# Altium PCB MAIN_BORAD.PcbDoc (part 1 of 3) (continued)
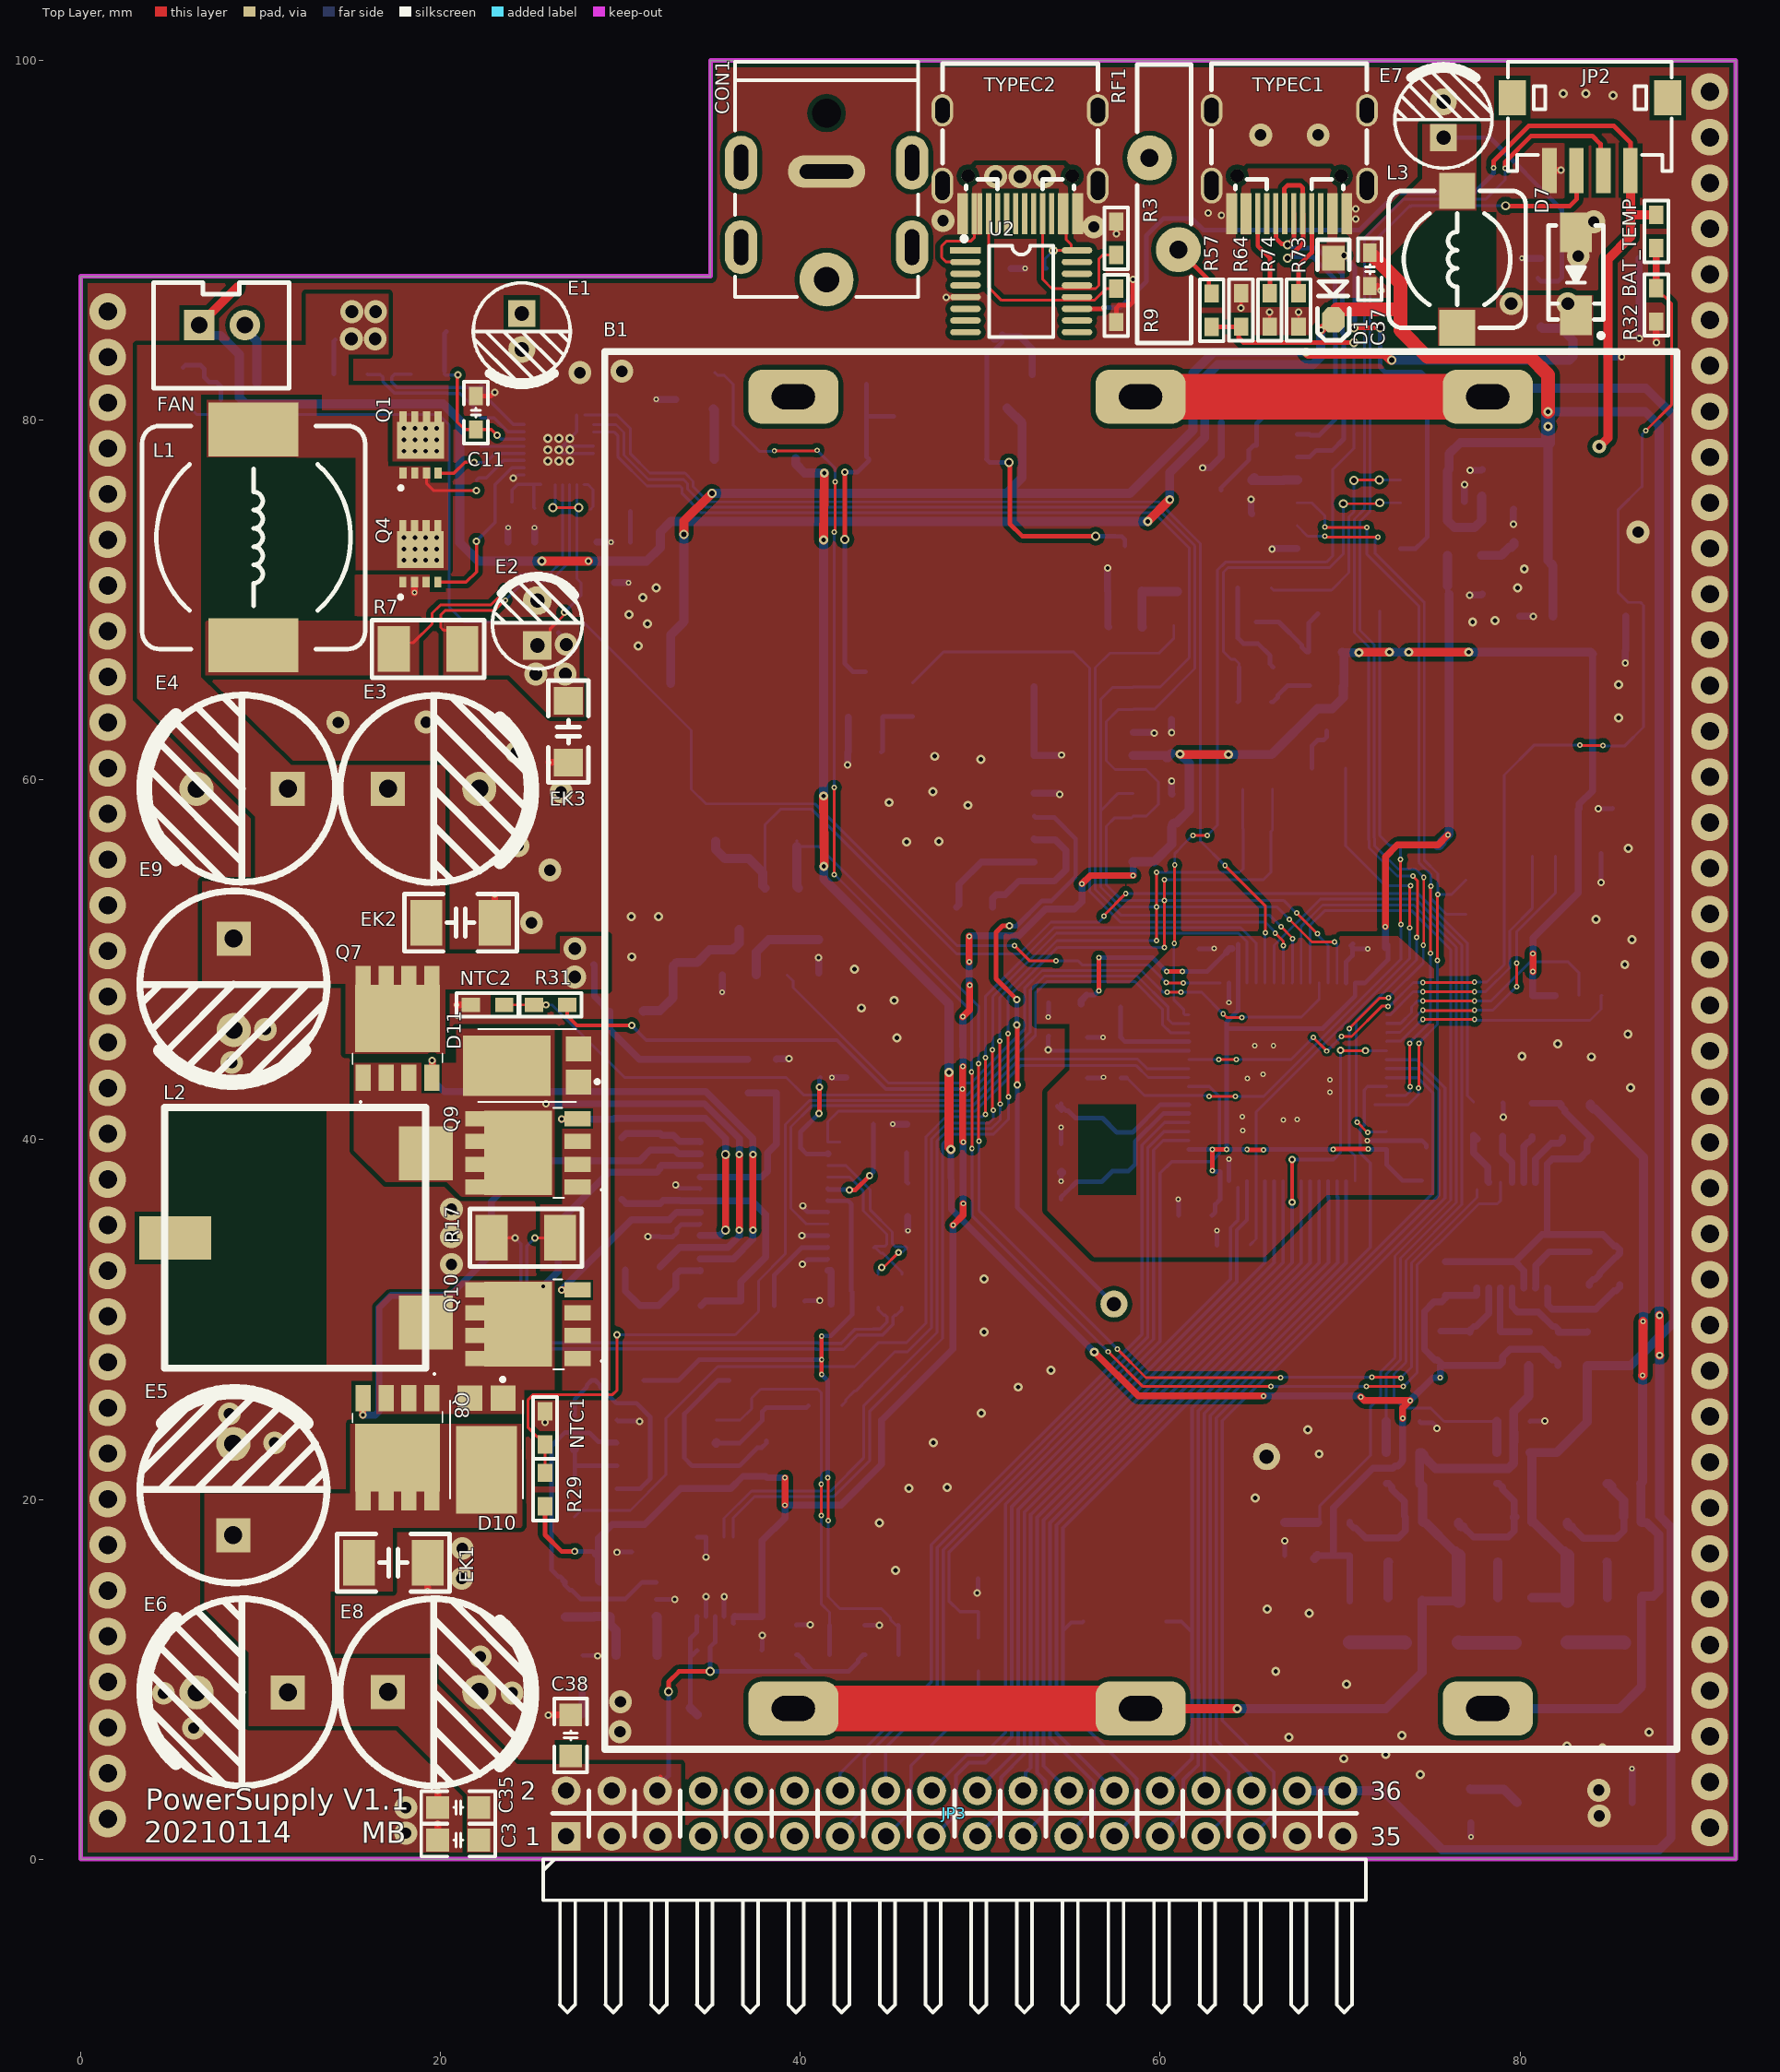
[diagram p0: Top Layer view]
## Components (designator, comment, footprint, x,y, rotation, side; value= is the part's Value field where it differs from the comment) (continued)
R20 "102" "R 0603_M" 44.323,31.598 r270 bottom
R21 "2.2R" "R 0603_M" 37.084,43.536 r270 bottom
R22 "102" "R 0603_M" 45.644,31.598 r270 bottom
R23 "5.6K" "R 0603_M" 44.983,39.294 r0 bottom
R24 "100K" "R 0603_M" 37.617,31.039 r180 bottom
R25 "280K N/C" "R 0603_M" 44.488,11.354 r180 bottom
R26 "0R" "R 0603_M" 53.797,46.685 r90 bottom locked
R27 "20K N/C" "R 0603_M" 44.501,13.007 r0 bottom locked
R28 "1K" "R 0603_M" 32.956,11.328 r180 bottom locked
R29 "10K" "R 0603_M" 25.806,20.549 r270 top
R30 "0.01R" "R 2512_M" 31.064,8.026 r0 bottom locked
R31 "10K" "R 0603_M" 26.111,47.498 r0 top
R32 "10K" "R 0603_M" 87.579,86.411 r270 top locked
R33 "1K" "R 0603_M" 28.829,11.328 r0 bottom locked
R34 "30K" "R 0603_M" 26.924,14.402 r90 bottom locked
R35 "62R" "R 0805_M" 70.536,13.208 r270 bottom locked
R36 "100R" "R 0603_M" 70.536,17.805 r90 bottom locked
R37 "1K" "R 0603_M" 27.432,19.964 r90 bottom
R38 "5.1K" "R 0603_M" 77.419,41.173 r270 bottom locked
R39 "1M" "R 0603_M" 38.964,54 r0 bottom locked
R40 "1K" "R 0603_M" 5.69,82.118 r270 bottom locked
R41 "5.1K" "R 0603_M" 35.23,81.737 r270 bottom locked
R42 "1K" "R 0603_M" 77.221,28.372 r90 bottom locked
R43 "1K" "R 0603_M" 80.482,28.372 r90 bottom locked
R44 "1K" "R 0603_M" 83.744,28.372 r90 bottom locked
R45 "62R" "R 0805_M" 76.581,13.208 r270 bottom locked
R46 "27K" "R 0603_M" 40.691,11.364 r180 bottom locked
R47 "1K" "R 0603_M" 79.045,41.123 r270 bottom locked
R48 "1K" "R 0603_M" 83.845,32.842 r90 bottom locked
R49 "100R" "R 0603_M" 76.581,17.805 r90 bottom locked
R50 "1K" "R 0603_M" 41.377,25.222 r180 bottom
R51 "1K" "R 0603_M" 85.547,32.855 r270 bottom locked
R52 "3K" "R 0603_M" 40.691,13.007 r0 bottom locked
R53 "10" "R 0603_M" 83.922,41.046 r90 bottom locked
R54 "0.01R" "R 2512_M" 83.033,3.15 r0 bottom
R55 "62R" "R 0805_M" 82.626,13.208 r270 bottom locked
R56 "20K" "R 0603_M" 49.886,11.379 r90 bottom locked
R57 "20K" "R 0603_M" 62.865,86.122 r270 top locked
R58 "10K" "R 0603_M" 58.064,68.504 r0 bottom locked
R59 "30K" "R 0603_M" 68.732,17.805 r90 bottom locked
R60 "30K" "R 0603_M" 73.495,22.606 r180 bottom locked
R61 "30K" "R 0603_M" 79.635,22.606 r180 bottom locked
R62 "100R" "R 0603_M" 82.626,17.805 r90 bottom locked
R63 "1K" "R 0603_M" 49.886,14.681 r90 bottom locked
R64 "1K" "R 0603_M" 64.491,86.131 r90 top locked
R65 "10K" "R 0603_M" 29.616,74.93 r180 bottom
R66 "10K" "R 0603_M" 66.929,17.805 r270 bottom locked
R67 "10K" "R 0603_M" 73.495,24.333 r0 bottom locked
R68 "10K" "R 0603_M" 79.635,24.333 r0 bottom locked
R69 "10K" "R 0603_M" 46.101,80.289 r0 bottom locked
R70 "1K" "R 0603_M" 60.757,69.52 r90 bottom locked
R71 "1K" "R 0603_M" 46.228,64.465 r270 bottom locked
R72 "10K" "R 0603_M" 43.561,61.544 r0 bottom locked
R73 "5.1K" "R 0603_M" 67.691,86.131 r270 top locked
R74 "5.1K" "R 0603_M" 66.091,86.131 r90 top locked
RF1 "FR60-160B" FR60-160B 60.211,92.184 r90 top locked
SCL "TEST" "TEST 1" 66.243,57.226 r180 bottom locked
SDA "TEST" "TEST 1" 64.623,57.252 r180 bottom locked
TYPEC1 "TYPEC 12PIN" TYPEC_16P 67.174,95.148 r0 top locked
TYPEC2 "TYPEC 12PIN" TYPEC_16P 52.212,95.148 r0 top locked
U1 "STM32F103RE" "LQFP64 10X10_L" 67.081,43.205 r90 bottom locked
U1R "TEST" "TEST 1" 76.987,54.432 r180 bottom locked
U1T "TEST" "TEST 1" 76.987,52.527 r180 bottom locked
U2 "IP2721" TSSOP16_M 52.273,87.173 r0 top locked
U3 "CH340C" SOP16_M 70.483,77.318 r0 bottom locked
U3R "TEST" "TEST 1" 55.728,13.208 r90 bottom locked
U3T "TEST" "TEST 1" 60.325,13.208 r90 bottom locked
U4 "SC8813" QFN40P400X400X80_HS-33N 26.568,78.359 r270 bottom
U5 "SGM8551/TP1541A" SOT23-5M 30.48,14.453 r270 bottom locked
U6 "RT9193" SOT23-5M 76.911,73.99 r0 bottom locked
V1 "AMS1117-3V3" SOT223_M 84.074,74.926 r90 bottom locked
X1 "32.768K" OSC-3x10-WS 49.682,52.934 r180 bottom
X2 "8MHz" "OSC 5032-2P" 57.048,39.456 r90 bottom
X3 "12M" "OSC 3215-2P" 65.354,80.264 r90 bottom locked

## Footprints (in the part's own frame and the unit in brackets; to place one, negate y for a bottom-side part, rotate by r counter-clockwise, add the part's x,y. Pads: shape width x height; smd on the part's side, far side on the other; paste and mask are expansions set on the pad)
18650 [mm]
  rrect50% 3x5 hole 2.4 slot 1.38 at 0 deg paste+0: 1(0,-38.6) 2(72.93,-38.6) 3(0,-19.3) 4(72.93,-19.3) 5(0,0) 6(72.93,0)
  silkscreen extent -2.51,-49.08 75.19,10.52, body extent -2.54,-49.17 75.19,10.52, height 21.59
bat [mm]
  round 1.5 hole 0.8 paste+0: 1(0,0) 2(12,0)
  silkscreen extent -0.25,-6.25 12.25,6.25, body extent -0.17,-6.27 12.38,6.28, height 2.05
"C 0603_M" [mil] "无极性贴片电容"
  rect 40x30 smd: 1(-36.5,0) 2(36.5,0)
  silkscreen extent -68,-26 68,26, body extent -31,-16 31,16, height 32
"C 0805_M" [mil] "无极性贴片电容"
  rect 50x50 smd: 1(-45,0) 2(45,0)
  silkscreen extent -81,-36 81,36, body extent -39,-24 39,24, height 20
"C 1206_M" [mil] "无极性贴片电容"
  rect 60x62.99 smd: 1(-67.5,0) 2(67.5,0)
  silkscreen extent -112,-44 112,44, body extent -63,-32 63,32, height 48
"C 1210_M" [mil] "无极性贴片电容"
  rect 70x100 smd: 1(-75,0) 2(75,0)
  silkscreen extent -123,-63 123,63, body extent -63,-51 63,51, height 60
"CAP 2.0*5*11 - GD" [mm] "脚距2mm直径5mm高度11mm"
  rect 1.5x1.5 hole 0.8: 1(-1,0)
  round 1.5 hole 0.8: 2(1,0)
  silkscreen extent -2.7,-2.7 2.96,2.7, body extent -2.5,-2.5 2.51,2.5, height 11.04
"CAP 2.5*5*11 - GD" [mm] "脚距2.5mm直径5mm高度11mm"
  rect 1.6x1.6 hole 0.8: 1(-1.25,0)
  round 1.6 hole 0.8: 2(1.25,0)
  silkscreen extent -2.55,-2.5 2.6,2.5, body extent -2.5,-2.54 2.51,2.46, height 11.04
"CAP 5.0*10*20 - GD" [mm] "脚距5mm直径10mm高度20mm"
  rect 1.9x1.9 hole 1: 1(-2.54,0)
  round 1.9 hole 1: 2(2.54,0)
  silkscreen extent -5.19,-5.21 5.5,5.19, body extent -5,-5 5.01,5, height 20.04
CDRH74 [mm] "7.3*7.3*4.5mm（长宽高）"
  rect 2x2 smd: 1(-3.81,0) 2(3.81,0)
  silkscreen extent -3.81,-3.81 3.81,3.81, body extent -3.65,-3.65 3.65,3.65, height 4.5
CDRH125 [mm] "12*12*5mm（长宽高）"
  rect 3x5 smd: 1(-6,0) 2(6,0)
  silkscreen extent -6.2,-6.2 6.2,6.2, body extent -6,-6 6,6, height 5.05
DC-005P [mm] "13mm*10mm*10mm(长*宽*高)"
  oval 1.8x3 hole 0.8 slot 2 at 90 deg unplated: 0(-4.75,3.7) 0(-4.75,-1) 0(4.75,3.7) 0(4.75,-1)
  round 3 hole 1.4: 1(0,5.5)
  oval 4.3x1.8 hole 0.8 slot 3 at 0 deg: 2(0,-0.5)
  round 0 hole 1.6 unplated: 4(0,-3.75)
  silkscreen extent -5.08,-6.6 5.08,6.48, body extent -5,-6.5 5,6.3, height 10.15
DO-213AA [mm] "1.5*3.5mm(直径，脚距）"
  rect 1.37x1.62 smd: 1(-1.855,0)
  oct 1.37x1.62 smd: 2(1.855,0)
  silkscreen extent -0.76,-0.8 0.78,0.8, body extent -1.75,-0.75 1.75,0.75, height 1.53
EMB20N03V [mm]
  rect 0.4x0.6 smd: 1(-0.975,-1.825) 2(-0.325,-1.825) 3(0.325,-1.825) 4(0.975,-1.825) 5(0.975,1.325) 6(0.325,1.325) 7(-0.325,1.325) 8(-0.975,1.325)
  rect 2.6x2.05 smd: 8(0,0)
  silkscreen extent -1.2,-2.75 -1,-2.55, body extent -1.5,-2.08 1.5,1.59, height 1
FR60-160B [mm] "直径15.5mm，厚度3mm，脚距5.1mm"
  round 2.5 hole 1: 1(-2.7,-0.8) 2(2.4,0.8)
  silkscreen extent -7.9,-1.5 7.6,1.5, body extent -7.9,-1.5 7.6,1.5, height 18.5
HDR2.54-WI-2x18P [mm] "双排弯脚排针，18x2脚"
  rect 1.6x1.6 hole 0.9: 1(-21.59,-1.27)
  round 1.6 hole 0.9: 2(-21.59,1.27) 3(-19.05,-1.27) 4(-19.05,1.27) 5(-16.51,-1.27) 6(-16.51,1.27) 7(-13.97,-1.27) 8(-13.97,1.27) 9(-11.43,-1.27) 10(-11.43,1.27) 11(-8.89,-1.27) 12(-8.89,1.27) 13(-6.35,-1.27) 14(-6.35,1.27) 15(-3.81,-1.27) 16(-3.81,1.27) 17(-1.27,-1.27) 18(-1.27,1.27) 19(1.27,-1.27) 20(1.27,1.27) 21(3.81,-1.27) 22(3.81,1.27) 23(6.35,-1.27) 24(6.35,1.27) 25(8.89,-1.27) 26(8.89,1.27) 27(11.43,-1.27) 28(11.43,1.27) 29(13.97,-1.27) 30(13.97,1.27) 31(16.51,-1.27) 32(16.51,1.27) 33(19.05,-1.27) 34(19.05,1.27) 35(21.59,-1.27) 36(21.59,1.27)
  silkscreen extent -22.86,-11.06 22.86,1.27, body extent -22.86,-11.23 22.86,1.62, height 5.1
"L 0805" [mil] "小功率贴片电感"
  rect 40x55 smd: 1(-45,0) 2(45,0)
  silkscreen extent -75,-35 75,35, body extent -39,-24 39,24, height 35
"LQFP64 10X10_L" [mm] "64脚，体宽10x10mm，脚距0.5mm"
  oval 0.25x1.55 smd: 1(-3.75,-5.5) 2(-3.25,-5.5) 3(-2.75,-5.5) 4(-2.25,-5.5) 5(-1.75,-5.5) 6(-1.25,-5.5) 7(-0.75,-5.5) 8(-0.25,-5.5) 9(0.25,-5.5) 10(0.75,-5.5) 11(1.25,-5.5) 12(1.75,-5.5) 13(2.25,-5.5) 14(2.75,-5.5) 15(3.25,-5.5) 16(3.75,-5.5) 33(3.75,5.5) 34(3.25,5.5) 35(2.75,5.5) 36(2.25,5.5) 37(1.75,5.5) 38(1.25,5.5) 39(0.75,5.5) 40(0.25,5.5) 41(-0.25,5.5) 42(-0.75,5.5) 43(-1.25,5.5) 44(-1.75,5.5) 45(-2.25,5.5) 46(-2.75,5.5) 47(-3.25,5.5) 48(-3.75,5.5)
  oval 1.55x0.25 smd: 17(5.5,-3.75) 18(5.5,-3.25) 19(5.5,-2.75) 20(5.5,-2.25) 21(5.5,-1.75) 22(5.5,-1.25) 23(5.5,-0.75) 24(5.5,-0.25) 25(5.5,0.25) 26(5.5,0.75) 27(5.5,1.25) 28(5.5,1.75) 29(5.5,2.25) 30(5.5,2.75) 31(5.5,3.25) 32(5.5,3.75) 49(-5.499,3.75) 50(-5.499,3.25) 51(-5.499,2.75) 52(-5.499,2.25) 53(-5.499,1.75) 54(-5.499,1.25) 55(-5.499,0.75) 56(-5.499,0.25) 57(-5.499,-0.25) 58(-5.499,-0.75) 59(-5.499,-1.25) 60(-5.499,-1.75) 61(-5.499,-2.25) 62(-5.499,-2.75) 63(-5.499,-3.25) 64(-5.499,-3.75)
  silkscreen extent -4.95,-5.96 4.32,4.32, body extent -6,-6 6,6, height 1.45
"OSC 3215-2P" [mm] "3.2*1.5*0.6mm(长宽高)"
  rect 1.2x1.5 smd: 1(-1.65,0) 2(1.65,0)
  silkscreen extent -2.41,-0.89 2.41,0.89, body extent -1.6,-0.75 1.6,0.75, height 0.61
"OSC 5032-2P" [mm] "5mm*3.2mm*0.8mm(长*宽*高)"
  rect 2.2x2.4 smd: 1(-1.75,0) 2(1.75,0)
  silkscreen extent -2.5,-1.6 2.5,1.6, body extent -2.5,-1.6 2.5,1.6, height 0.86
OSC-3x10-WS [mm] "脚距：2mm"
  rect 3.3x3.5 smd: 0(0,12)
  rect 0.8x1.9 smd: 1(1,0) 2(-1,0)
  silkscreen extent -1.52,1.2 1.52,10, body extent -1.5,-0.5 1.5,12, height 3.03
PDS104013 [mm]
  rect 1.39x1.4 smd: 1(-0.92,-2.856) 2(0.92,-2.856)
  rect 3.36x4.86 smd: 3(0,1.126)
  silkscreen extent -2.02,-4 2.02,2.73, body extent -2.02,-3.42 2.02,3.22, height 1.1
QFN40P400X400X80_HS-33N [mm] "QFN, 32-Leads, Body 4.00x4.00mm, Pitch 0.40mm, Thermal Pad 2.65x2.65mm, IPC Medium Density"
  oval 0.85x0.2 smd: 1(-1.925,1.4) 2(-1.925,1) 3(-1.925,0.6) 4(-1.925,0.2) 5(-1.925,-0.2) 6(-1.925,-0.6) 7(-1.925,-1) 8(-1.925,-1.4) 17(1.925,-1.4) 18(1.925,-1) 19(1.925,-0.6) 20(1.925,-0.2) 21(1.925,0.2) 22(1.925,0.6) 23(1.925,1) 24(1.925,1.4)
  oval 0.2x0.85 smd: 9(-1.4,-1.925) 10(-1,-1.925) 11(-0.6,-1.925) 12(-0.2,-1.925) 13(0.2,-1.925) 14(0.6,-1.925) 15(1,-1.925) 16(1.4,-1.925) 25(1.4,1.925) 26(1,1.925) 27(0.6,1.925) 28(0.2,1.925) 29(-0.2,1.925) 30(-0.6,1.925) 31(-1,1.925) 32(-1.4,1.925)
  rect 2.65x2.65 smd: 33(0,0)
  silkscreen extent -2.97,-2.2 2.2,2.2, body extent -2.07,-2.07 2.07,2.07, height 0.8
"R 0603_M" [mil] "1/10W贴片电阻"
  rect 40x31.5 smd: 1(-36.5,0) 2(36.5,0)
  silkscreen extent -68,-26 68,26, body extent -31,-16 31,16, height 16
"R 0805_M" [mil] "1/8W贴片电阻"
  rect 50x50 smd: 1(-45,0) 2(45,0)
  silkscreen extent -81,-36 81,36, body extent -39,-25 39,25, height 20
"R 1210_M" [mil] "1/3W贴片电阻"
  rect 70x100 smd: 1(-75,0) 2(75,0)
  silkscreen extent -123,-63 123,63, body extent -63,-49 63,49, height 22
"R 2512_M" [mm] "1W贴片电阻"
  rect 2.032x3.2 smd: 1(-3.2,0) 2(3.2,0)
  silkscreen extent -4.57,-2.03 4.57,2.03, body extent -3.2,-1.6 3.2,1.6, height 0.55
SER2010202MLD [mm]
  rect 2.4x4 smd: 0(0,6.66)
  rect 3x3 smd: 1(-4.705,-7.26) 2(4.705,-7.26)
  silkscreen extent -7.25,-7.25 7.25,7.25, body extent -7.35,-7.35 7.35,7.35, height 8
SI2302 [mm]
  rect 0.8x0.9 smd: 1(-0.95,-1) 2(0.95,-1) 3(0,1)
  silkscreen extent -2,-1.1 1.46,0.65, body extent -1.46,-1.37 1.46,1.37, height 1.1
SMA [mm] "4.5x2.6*2.2mm（长宽高，不包括引脚）"
  rect 2.2x1.75 smd: 1(-2.3,0) 2(2.3,0)
  silkscreen extent -2.7,-1.52 3.56,1.52, body extent -2.53,-1.3 2.58,1.3, height 2.15
SOD-123 [mil] "2.7x1.6X1.1mm（长宽高，不包括引脚）"
  rect 55x50 smd: 1(-67.5,0)
  oct 55x50 smd: 2(67.5,0)
  silkscreen extent -108,-35 112,35, body extent -73,-31 73,31, height 48
SOD-323 [mm] "1.8x1.3X0.9mm（长宽高，不包括引脚）"
  rect 1x0.8 smd: 1(-1.4,0)
  oct 1x0.8 smd: 2(1.4,0)
  silkscreen extent -2.11,-0.76 2.11,0.76, body extent -1.34,-0.63 1.31,0.67, height 1
SOIC127P600X175-8N [mm]
  rect 1.55x0.7 smd: 1(-2.725,1.905) 2(-2.725,0.635) 3(-2.725,-0.635) 4(-2.725,-1.905) 5(2.725,-1.905) 6(2.725,-0.635) 7(2.725,0.635) 8(2.725,1.905)
  silkscreen extent -3.5,-2.45 1.6,2.61, body extent -3,-2.45 3,2.45, height 1.75
SOP8_M [mm] "5*6*1.8mm（长宽高）"
  rect 2.1x0.6 smd: 1(-2.75,1.905)
  oval 2.1x0.6 smd: 2(-2.75,0.635) 3(-2.75,-0.635) 4(-2.75,-1.905) 5(2.75,-1.905) 6(2.75,-0.635) 7(2.75,0.635) 8(2.75,1.905)
  silkscreen extent -2.69,-2.5 1.4,3.15, body extent -3,-2.5 3,2.5, height 1.9
SOP8W_N [mm] "5.3*8.3*1.8mm（长宽高）"
  rect 2.3x0.55 smd: 1(-3.95,1.905)
  oval 2.3x0.55 smd: 2(-3.95,0.635) 3(-3.95,-0.635) 4(-3.95,-1.905) 5(3.95,-1.905) 6(3.95,-0.635) 7(3.95,0.635) 8(3.95,1.905)
  silkscreen extent -3.94,-2.67 2.29,3.43, body extent -3.94,-2.64 3.94,2.64, height 1.9
SOP16_M [mm] "10.3*6.2*1.8mm（长宽高）"
  oval 2.1x0.6 smd: 1(-2.875,4.445) 2(-2.875,3.175) 3(-2.875,1.905) 4(-2.875,0.635) 5(-2.875,-0.635) 6(-2.875,-1.905) 7(-2.875,-3.175) 8(-2.875,-4.445) 9(2.875,-4.445) 10(2.875,-3.175) 11(2.875,-1.905) 12(2.875,-0.635) 13(2.875,0.635) 14(2.875,1.905) 15(2.875,3.175) 16(2.875,4.445)
  silkscreen extent -2.95,-5 1.52,5.49, body extent -3,-5 3,5, height 1.9
SOP50P490X110-10N [mm]
  rect 1.4x0.3 smd: 1(-2.2,1) 2(-2.2,0.5) 3(-2.2,0) 4(-2.2,-0.5) 5(-2.2,-1) 6(2.2,-1) 7(2.2,-0.5) 8(2.2,0) 9(2.2,0.5) 10(2.2,1)
  silkscreen extent -2.9,-1.5 1.15,1.5, body extent -2.45,-1.5 2.45,1.5, height 1.1
SOP65P640X110-16N [mm]
  rect 1.475x0.45 smd: 1(-2.938,2.275) 2(-2.938,1.625) 3(-2.938,0.975) 4(-2.938,0.325) 5(-2.938,-0.325) 6(-2.938,-0.975) 7(-2.938,-1.625) 8(-2.938,-2.275) 9(2.938,-2.275) 10(2.938,-1.625) 11(2.938,-0.975) 12(2.938,-0.325) 13(2.938,0.325) 14(2.938,0.975) 15(2.938,1.625) 16(2.938,2.275)
  silkscreen extent -3.67,-2.55 1.85,2.85, body extent -3.2,-2.55 3.2,2.55, height 1.1
SOP65P780X200-24N [mm]
  rect 1.8x0.45 smd: 1(-3.55,3.575) 2(-3.55,2.925) 3(-3.55,2.275) 4(-3.55,1.625) 5(-3.55,0.975) 6(-3.55,0.325) 7(-3.55,-0.325) 8(-3.55,-0.975) 9(-3.55,-1.625) 10(-3.55,-2.275) 11(-3.55,-2.925) 12(-3.55,-3.575) 13(3.55,-3.575) 14(3.55,-2.925) 15(3.55,-2.275) 16(3.55,-1.625) 17(3.55,-0.975) 18(3.55,-0.325) 19(3.55,0.325) 20(3.55,0.975) 21(3.55,1.625) 22(3.55,2.275) 23(3.55,2.925) 24(3.55,3.575)
  silkscreen extent -4.45,-4.1 2.3,4.15, body extent -3.9,-4.1 3.9,4.1, height 2
SOT23-3M [mm] "3x1.3x1mm(长宽高)"
  rect 0.6x1.4 smd: 1(-0.95,0) 2(0.95,0) 3(0,2.514)
  silkscreen extent -1.78,-0.63 1.5,1.97, body extent -1.5,0.07 1.5,2.47, height 1.05
SOT23-5M [mm] "3x1.6x1.1mm(长宽高)"
  rect 0.55x1.4 smd: 1(-0.95,-1.5) 2(0,-1.5) 3(0.95,-1.5) 4(0.95,1.5) 5(-0.95,1.5)
  silkscreen extent -1.66,-1.98 1.5,0.56, body extent -1.5,-1.4 1.5,1.4, height 1.15
SOT95P280X140-6N [mm]
  rect 1.15x0.6 smd: 1(-1.25,0.95) 2(-1.25,0) 3(-1.25,-0.95) 4(1.25,-0.95) 5(1.25,0) 6(1.25,0.95)
  silkscreen extent -1.83,-1.45 0.33,1.6, body extent -1.4,-1.45 1.4,1.45, height 1.4
SOT223_M [mm] "SOT223, 4-Leads, Body 6.5x3.5mm, Pitch 2.3mm, Lead Span 7mm, IPC Low Density"
  rect 2.7x1 smd: 1(-2.95,2.3) 2(-2.95,0) 3(-2.95,-2.3)
  rect 2.7x3.3 smd: 4(2.95,0)
  silkscreen extent -3.07,-3.35 1.3,3.48, body extent -1.85,-3.35 1.85,3.35, height 1.7
"TEST 1" [mm] "测试点1mm"
  round 1 smd paste-1: 1(0,0)
TO252 [mil] "252晶体管"
  rect 60x110 smd: 1(-89.55,-119.77) 3(88.45,-120.77)
  rect 230x245 smd: 2(0,165.35)
  silkscreen extent -153,-133 130,28, body extent -128,-120 128,251, height 91
TPH1R306PLL1Q [mm]
  rect 0.85x1.45 smd: 1(-1.905,-2.85) 2(-0.635,-2.85) 3(0.635,-2.85) 4(1.905,-2.85)
  rect 0.85x1.05 smd: 5(1.905,2.85) 6(0.635,2.85) 7(-0.635,2.85) 8(-1.905,2.85)
  rect 4.7x3.75 smd: 8(0,0.45)
  silkscreen extent -2.5,-4.25 2.5,-1.5, body extent -2.5,-3.49 2.5,3.29, height 1.1
TSSOP16_M [mm] "5*6.4*1mm（长宽高）"
  rect 1.7x0.35 smd: 1(-3.1,2.275)
  oval 1.7x0.35 smd: 2(-3.1,1.625) 3(-3.1,0.975) 4(-3.1,0.325) 5(-3.1,-0.325) 6(-3.1,-0.975) 7(-3.1,-1.625) 8(-3.1,-2.275) 9(3.1,-2.275) 10(3.1,-1.625) 11(3.1,-0.975) 12(3.1,-0.325) 13(3.1,0.325) 14(3.1,0.975) 15(3.1,1.625) 16(3.1,2.275)
  silkscreen extent -3.3,-2.54 1.78,3.05, body extent -3.2,-2.5 3.2,2.5, height 1.03
TYPEC_16P [mm]
  oval 1.2x2 hole 0.8 slot 1.6 at 90 deg: 0(-4.32,-2.096) 0(4.32,-2.096)
  oval 1.2x1.8 hole 0.8 slot 1.4 at 90 deg: 0(-4.32,2.084) 0(4.32,2.084)
  rect 0.3x2.3 smd: A1(3.35,-3.663) A4(2.55,-3.663) A5(1.25,-3.663) A6(0.25,-3.663) A7(-0.25,-3.663) A8(-1.25,-3.663) A9(-2.55,-3.663) A12(-3.35,-3.663) B1(-3.05,-3.663) B4(-2.25,-3.663) B5(-1.75,-3.663) B6(-0.75,-3.663) B7(0.75,-3.663) B8(1.75,-3.663) B9(2.25,-3.663) B12(3.05,-3.663)
  round 0.75 hole 0.75 unplated: ""(-2.89,-1.566) ""(2.89,-1.566)
  silkscreen extent -4.32,-2.28 4.32,4.69, body extent -4.47,-3.2 4.47,4.7, height 3.2
XH2.54-LI-2P [mm] "接插件，2P"
  rect 1.7x1.7 hole 0.9: 1(-1.27,0)
  round 1.7 hole 0.9: 2(1.27,0)
  silkscreen extent -3.81,-3.51 3.74,2.37, body extent -3.77,-3.3 3.77,2.4, height 7.05
ZH1.5-WS-4P [mm] "长：9.1mm，宽：6.0mm，高：3.7mm"
  rect 1.5x1.95 smd: 0(-4.318,0) 0(4.318,0)
  rect 0.8x2.5 smd: 1(-2.25,4.05) 2(-0.75,4.05) 3(0.75,4.05) 4(2.25,4.05)
  silkscreen extent -4.55,-2 4.55,4.06, body extent -4.55,-2 4.55,4.6, height 3.75

## Part data
BAT_TEMP NTC1 NTC2 R1 R2 R3 R4 R5 R6 R7 R8 R9 R10 R11 R12 R13 R14 R15 R16 R17 R18 R19 R20 R21 R22 R23 R24 R25 R26 R27 R28 R29 R30 R31 R32 R33 R34 R35 R36 R37 R38 R39 R40 R41 R42 R43 R44 R45 R46 R47 R48 R49 R50 R51 R52 R53 R54 R55 R56 R57 R58 R59 R60 R61 R62 R63 R64 R65 R66 R67 R68 R69 R70 R71 R72 R73 R74: library part R, "贴片电阻"
  BAT_TEMP NTC1 NTC2 R1 R2 R3 R4 R5 R6 R7 R8 R9 R10 R11 R12 R13 R14 R15 R16 R17 R18 R19 R20 R21 R22 R23 R24 R25 R26 R27 R28 R29 R30 R31 R32 R33 R34 R35 R36 R37 R38 R39 R40 R41 R42 R43 R44 R45 R46 R47 R48 R49 R50 R51 R52 R53 R54 R55 R56 R57 R58 R59 R60 R61 R62 R63 R64 R65 R66 R67 R68 R69 R70 R71 R72: BOM名称=贴片电阻, 学习资源=www.ooocke.com, 版权归属=源创客
C1 C2 C3 C4 C5 C6 C7 C8 C9 C10 C11 C12 C13 C14 C15 C16 C17 C18 C19 C20 C21 C22 C23 C24 C25 C26 C27 C28 C29 C30 C31 C32 C33 C34 C35 C36 C37 C38 C39 C40 C41 C42 C43 C44 C45 C46 C47 C48 C49 C50 C51 C52 C53 C54 C55 C56 C57 EK1 EK2 EK3 EK4: library part C, "无极性贴片电容"
  C3: BOM名称=无极性贴片电容, 学习资源=www.ooocke.com, 版权归属=源创客
  C38: BOM名称=整流二极管, 学习资源=www.ooocke.com, 版权归属=源创客
CON1: library part DC-005P, "带屏蔽DC电源接口", BOM名称=带屏蔽DC电源接口, 学习资源=www.ooocke.com, 版权归属=源创客
D1 D2 D3 D4 D5 D6 D7: "整流二极管"
D8 D9: "高速开关二极管"
D10 D11: "Schottky Diode", Manufacturer_Name="Diodes Inc.", Mouser Part Number=621-SBR10U45SP5-13, Arrow Part Number=SBR10U45SP5-13, Arrow Price/Stock=https://www.arrow.com/en/products/sbr10u45sp5-13/diodes-incorporated, Datasheet Link=https://www.diodes.com/assets/Datasheets/SBR10U45SP5.pdf, Manufacturer_Part_Number=SBR10U45SP5-13, Mouser Price/Stock=https://www.mouser.co.uk/ProductDetail/Diodes-Incorporated/SBR10U45SP5-13/?qs=oUsD4qhOtFzkwQR1w2y69g%3D%3D
DAC_I DAC_V SCL SDA U1R U1T U3R U3T: "测试点", BOM名称=测试点, 学习资源=www.ooocke.com, 版权归属=源创客
DZ1 DZ2: library part 1N4106, "12V/0.5W稳压管", BOM名称=12V/0.5W稳压管, 学习资源=www.ooocke.com, 版权归属=源创客
E1 E2 E3 E4 E5 E6 E7 E8 E9: library part C-CAP, "直插电解电容"
  E1 E2 E3 E4 E5 E7: BOM名称=直插电解电容, 学习资源=www.ooocke.com, 版权归属=源创客
FAN: library part "Header 2", "2P接插件", BOM名称=2P接插件, 学习资源=www.ooocke.com, 版权归属=源创客
IC1: "Integrated Circuit", Manufacturer_Name="Texas Instruments", Mouser Part Number=595-INA226AIDGST, Arrow Part Number=INA226AIDGST, Arrow Price/Stock=https://www.arrow.com/en/products/ina226aidgst/texas-instruments, Datasheet Link=http://www.ti.com/lit/gpn/ina226, Height=1.1mm, Manufacturer_Part_Number=INA226AIDGST, Mouser Price/Stock=https://www.mouser.co.uk/ProductDetail/Texas-Instruments/INA226AIDGST?qs=tQG3bEuiOZB3Ay2BJOjnEQ%3D%3D
IC2: "Integrated Circuit", Manufacturer_Name="Analog Devices", Mouser Part Number=584-LTC3780EG#TRPBF, Arrow Part Number=LTC3780EG#TRPBF, Arrow Price/Stock=https://www.arrow.com/en/products/ltc3780egtrpbf/analog-devices, Datasheet Link=https://www.arrow.com/en/products/ltc3780egtrpbf/analog-devices, Height=2mm, Manufacturer_Part_Number=LTC3780EG#TRPBF, Mouser Price/Stock=https://www.mouser.co.uk/ProductDetail/Analog-Devices/LTC3780EGTRPBF/?qs=hVkxg5c3xu%252B2zWuQ0UDI2Q%3D%3D
IC3: "Integrated Circuit", Manufacturer_Name=XLSEMI, Datasheet Link=https://datasheet.lcsc.com/szlcsc/XLSEMI-XL1509-5-0E1_C61063.pdf, Height=1.75mm, Manufacturer_Part_Number=XL1509-5.0E1
IC4: library part LM358, "双路运放", BOM名称=双路运放, 学习资源=www.ooocke.com, 版权归属=源创客
IC5 IC7 IC8: "Integrated Circuit", Manufacturer_Name=Hycon, Datasheet Link=https://datasheet.lcsc.com/szlcsc/HYCON-Tech-HY2213-BB3A_C113632.pdf, Height=1.4mm, Manufacturer_Part_Number=HY2213-BB3A
IC6: "Integrated Circuit", Manufacturer_Name="ABLIC U.S.A. Inc.", Mouser Part Number=628-S-8254AAKFT-TB-G, Datasheet Link=https://www.ablic.com/en/doc/datasheet/battery_protection/S8254A_E.pdf, Height=1.1mm, Manufacturer_Part_Number=S-8254AAKFT-TB-U, Mouser Price/Stock=https://www.mouser.com/Search/Refine.aspx?Keyword=628-S-8254AAKFT-TB-G
IC9: "Integrated Circuit", Manufacturer_Name="Maxim Integrated", Mouser Part Number=700-DS1307Z-NR, Datasheet Link=https://datasheets.maximintegrated.com/en/ds/DS1307.pdf, Height=1.75mm, Manufacturer_Part_Number=DS1307Z, Mouser Price/Stock=https://www.mouser.co.uk/ProductDetail/Maxim-Integrated/DS1307Z/?qs=1eQvB6Dk1vjw3IRIE9TdIQ%3D%3D
IC10: library part 24Cxx, "外置EEPROM", BOM名称=外置EEPROM, 学习资源=www.ooocke.com, 版权归属=源创客
IC11: "外置Flash", BOM名称=外置Flash, 学习资源=www.ooocke.com, 版权归属=源创客
JP2: library part "Header 4", "4P接插件", BOM名称=4P接插件, 学习资源=www.ooocke.com, 版权归属=源创客
JP3: library part "Header 18X2", "18*2P接插件", BOM名称=18*2P接插件, 学习资源=www.ooocke.com, 版权归属=源创客
L1 L3: library part L-CDRH, "功率屏蔽电感", BOM名称=功率屏蔽电感, 学习资源=www.ooocke.com, 版权归属=源创客
L2 L4: library part L, "小功率贴片电感"
  L2: BOM名称=小功率贴片电感, 学习资源=www.ooocke.com, 版权归属=源创客
Q1 Q4 Q7 Q8 Q9 Q10: library part IRF7473, "HEXFET Power MOSFET", Code_IPC=SOIC127P600-8, Code_JEDEC=MS-012-AA, ComponentLink1Description="Manufacturer Link", ComponentLink1URL=http://www.irf.com/, ComponentLink2Description=Datasheet, ComponentLink2URL=http://www.irf.com/product-info/datasheets/data/irf7473.pdf, DatasheetVersion=27-Apr-2001, LatestRevisionDate=13-Apr-2006, LatestRevisionNote="IPC-7351 Footprint Added.", PackageDescription="8-Pin Plastic Small Outline Integrated Circuit 1.27 mm Pitch", PackageReference=SO-8, PackageVersion=Feb-2001, Published=17-Sep-2003, Publisher="Altium Limited"
Q2 Q11 Q12 Q17 Q18: library part D15P05, "P沟道场效应管", BOM名称=P沟道场效应管, 学习资源=www.ooocke.com, 版权归属=源创客
Q3 Q6 Q19 Q20: library part 8050-SMD, "高频放大-NPN型", BOM名称=高频放大-NPN型, 学习资源=www.ooocke.com, 属性="40V 1.5A 1W 100MHZ", 版权归属=源创客
Q5: library part 8550-SMD, "高频放大-PNP型", BOM名称=高频放大-PNP型, 学习资源=www.ooocke.com, 属性="40V 1.5A 1W 100MHZ", 版权归属=源创客
Q13 Q14 Q15 Q16: "MOSFET (N-Channel)", Manufacturer_Name="Micro Commercial Components (MCC)", Mouser Part Number=833-SI2302, Datasheet Link=https://mouser.componentsearchengine.com/Datasheets/1/SI2302.pdf, Height=1.005mm, Manufacturer_Part_Number=SI2302, Mouser Price/Stock=https://www.mouser.co.uk/ProductDetail/Micro-Commercial-Components-MCC/SI2302?qs=6W4OQKoqJ0s%2FjuQxID9btg%3D%3D
RF1: library part PPTC, "PPTC自恢复保险丝"
TYPEC1 TYPEC2: library part TYPEC, "TPYEC接口 12PIN 的"
U1: "32位STM单片机", BOM名称=32位STM单片机, 学习资源=www.ooocke.com, 版权归属=源创客
U3: library part CH340G, "串口转USB", BOM名称=串口转USB, 学习资源=www.ooocke.com, 版权归属=源创客
U5: library part SGM8551XN, "轨到轨运算放大器"
U6: "LDO降压芯片"
V1: library part AMS1117, "三端稳压芯片", BOM名称=稳压芯片, 学习资源=www.ooocke.com, 版权归属=源创客
X1 X2 X3: library part XTAL-2P, "2脚无源脚晶振", BOM名称=2脚无源脚晶振, 学习资源=www.ooocke.com, 版权归属=源创客

## Via types
v1: diameter 0.305, hole 0.152, Top Layer to Bottom Layer, 193 vias
v2: diameter 0.508, hole 0.254, Top Layer to Bottom Layer, 114 vias
v3: diameter 0.406, hole 0.203, Top Layer to Bottom Layer, 102 vias
v4: diameter 2.032, hole 1.016, Top Layer to Bottom Layer, 73 vias
v5: diameter 1.27, hole 0.635, Top Layer to Bottom Layer, 35 vias
v6: diameter 0.508, hole 0.305, Top Layer to Bottom Layer, 25 vias
v7: diameter 1.27, hole 0.711, Top Layer to Bottom Layer, 14 vias
v8: diameter 0.762, hole 0.381, Top Layer to Bottom Layer, 1 vias

## Nets (pads, with @x,y where several pads share a name; then routed paths per layer and width w, separated by ;. In a path a pad name is that pad's centre, name@x,y a point inside that pad or via, vN(x,y) a via of type N, cw(c..) or ccw(c..) an arc to the next point about the centre after c; other vN are vias at no path point)
3V3: BAT_TEMP.1 C2.2 C7.2 C18.2 C21.1 C36.1 C39.1 C45.2 C47.2 IC1.6 IC4.8 IC9.8 IC10.8 IC11.3 IC11.7 IC11.8 JP2.1 Q5.2 R1.2 R15.2 R16.2 R29.2 R31.2 U2.11 U5.5 V1.2 | length 221.5
  Top Layer w0.203: R31.2@27.038,47.498 27.038,46.901 27.584,46.355 v3(30.62,46.355)
  Top Layer w0.254: R29.2@25.806,19.621 25.806,18.034 26.721,17.12 v3(27.457,17.12) ; U2.11@55.373,86.198 56.796,86.198 56.857,86.258 v1(56.871,86.258) ; v1(78.537,94.036) 78.537,94.412 80.493,96.368 85.217,96.368 86.137,95.448 JP2.1@86.137,93.878
  Top Layer w0.381: v1(39.141,19.685) v1(39.141,21.209) ; v1(48.489,35.255) 49.047,35.814 v1(49.047,36.449) ; v1(49.022,46.838) 49.403,47.219 v1(49.403,48.59) ; v1(49.035,44.069) 49.009,44.044 v1(49.009,42.824) 49.009,39.916 v1(49.047,39.878) ; v1(49.378,49.886) v1(49.378,51.308) ; v1(55.651,54.229) 56.109,54.686 v1(58.496,54.686) ; v1(80.721,49.352) v1(80.721,50.343)
  Top Layer w0.508: v2(61.112,61.443) 61.138,61.417 v2(63.805,61.417) ; v2(71.044,67.081) 71.069,67.107 v2(72.746,67.107) ; v2(73.812,67.107) v2(77.14,67.107) ; v8(84.404,78.538) 84.887,79.02 84.887,88.951 86.137,90.201 86.137,91.499 ; JP2.1@86.137,93.878 86.137,91.499 ; BAT_TEMP.1@87.579,91.427 86.208,91.427 86.137,91.499
  Bottom Layer w0.203: v3(30.62,46.355) 31.432,45.542 42.038,45.542 44.755,42.824 v1(49.009,42.824)
  Bottom Layer w0.254: v3(27.457,17.12) 28.421,17.12 C36.1@28.606,16.935 ; IC1.6@36.255,13.497 36.255,13.138 IC1.6@36.278,13.115 ; v1(56.871,86.258) 57.768,86.258 59.233,87.723 59.233,90.273 60.171,91.211 61.773,91.211 62.408,90.576 71.095,90.576 73.177,92.659 77.475,92.659 78.537,93.721 v1(78.537,94.036)
  Bottom Layer w0.381: C36.1@28.606,16.935 28.702,17.031 C36.1@28.702,17.094 ; U5.5@28.98,15.403 28.85,15.403 28.765,15.487 C36.1@28.765,17.094 28.765,17.843 29.54,18.618 31.344,18.618 33.325,20.599 IC4.8@35.313,20.599 36.119,20.599 36.805,21.285 38.062,21.285 C39.1@38.1,21.247 38.138,21.209 v1(39.141,21.209) ; IC1.6@36.35,13.497 36.372,13.475 C18.2@37.846,13.475 37.871,13.5 37.871,17.701 39.141,18.971 v1(39.141,19.685) 42.242,19.685 44.515,21.958 44.515,24.399 48.489,28.372 v1(48.489,35.255) ; 49.009,45.192 49.022,45.205 v1(49.022,46.838) 49.035,46.825 v1(49.035,44.069) ; v1(49.047,36.449) 49.035,36.462 49.035,39.728 49.047,39.74 v1(49.047,39.878) ; v1(49.378,49.886) 49.378,48.616 v1(49.403,48.59) ; v1(49.378,51.308) 49.403,51.333 52.138,51.333 53.624,52.819 55.232,52.819 55.651,53.238 v1(55.651,54.229) ; v1(58.496,54.686) IC9.8@58.496,55.448 ; C7.2@60.312,61.189 60.439,61.189 60.63,61.379 C7.2@60.63,61.493 ; v1(80.721,49.352) 80.696,49.327 IC11.8@80.696,48.018 IC11.7@81.966,48.018 ; v1(80.721,50.343) 80.721,51.206 83.236,53.721 IC11.3@83.236,55.918 83.236,58.357 C21.1@83.299,58.42 83.299,58.674 84.023,59.398 C45.2@84.023,67.005
  Bottom Layer w0.508: IC9.8@58.496,55.448 58.514,55.466 59.682,55.466 60.643,56.427 60.643,57.354 C2.2@60.655,57.366 60.655,57.493 60.782,57.62 60.909,57.62 61.62,58.331 61.62,60.935 v2(61.112,61.443) ; IC10.8@58.496,61.366 60.503,61.366 C7.2@60.63,61.493 ; v2(63.805,61.417) 66.192,61.417 68.745,63.97 69.558,63.97 70.17,64.582 70.17,65.207 Q5.2@70.216,65.253 70.216,67.008 R1.2@70.142,67.081 ; R1.2@70.117,67.107 R1.2@70.142,67.081 ; v2(71.044,67.081) R1.2@70.142,67.081 ; v2(72.746,67.107) v2(73.812,67.107) ; v2(77.14,67.107) 83.922,67.107 C45.2@84.023,67.005
3V3_MCU: C25.2 C26.2 C27.2 C28.2 C54.2 L4.1 R18.1 U1.1 U1.19 U1.32 U1.48 U1.64 U6.5 | length 90.4
  Top Layer w0.254: v1(56.591,48.285) v1(56.591,50.114) ; v1(60.35,49.352) v1(61.239,49.352) ; v1(62.9,38.278) v1(62.9,39.456) 63.673,39.456 63.689,39.472 v1(63.703,39.472) ; v1(64.831,39.472) 64.845,39.472 64.87,39.446 v1(65.735,39.446) ; v1(69.621,39.472) 69.626,39.476 v1(71.572,39.476)
  Top Layer w0.381: v1(72.517,51.841) 72.517,55.728 73.177,56.388 75.438,56.388 v1(75.997,56.947)
  Bottom Layer w0.254: L4.1@55.918,48.048 56.354,48.048 v1(56.591,48.285) ; v1(56.591,50.114) 59.588,50.114 v1(60.35,49.352) ; v1(61.239,49.352) 62.611,49.352 C25.2@63.678,50.419 ; U1.1@61.582,39.456 v1(62.9,39.456) ; C28.2@62.878,35.789 63.056,35.966 63.056,36.402 63.331,36.678 U1.64@63.331,37.706 63.331,38.221 63.329,38.223 62.968,38.223 62.914,38.278 v1(62.9,38.278) ; C25.2@64.331,50.87 64.331,50.622 U1.19@64.331,48.705 64.331,47.193 63.703,46.565 63.703,46.177 ; v1(64.831,39.472) v1(63.703,39.472) 63.703,46.177 ; v1(65.735,39.446) 65.761,39.472 v1(69.621,39.472) ; v1(71.572,39.476) 71.593,39.456 U1.48@72.581,39.456 72.581,38.62 73.469,37.732 C27.2@74.53,37.732 ; C26.2@72.657,50.851 72.657,50 71.362,48.705 U1.32@70.831,48.705 70.831,47.983 69.025,46.177 63.703,46.177 ; 75.961,58.791 75.961,70.79
  Bottom Layer w0.381: L4.1@55.601,47.549 55.601,47.731 L4.1@55.918,48.048 ; C25.2@63.678,50.419 63.678,50.432 63.868,50.622 C25.2@63.995,50.622 ; v1(72.517,51.841) 72.52,51.838 C26.2@72.52,50.673
  Bottom Layer w0.508: R18.1@75.413,56.363 75.521,56.363 75.667,56.509 75.667,56.617 v1(75.997,56.947) 76.06,57.01 C54.2@76.06,70.333 ; 75.961,70.79 U6.5@75.961,72.49